# Altium PCB HIVE_BOARD - 10x10.PcbDoc (part 3 of 4) (continued)
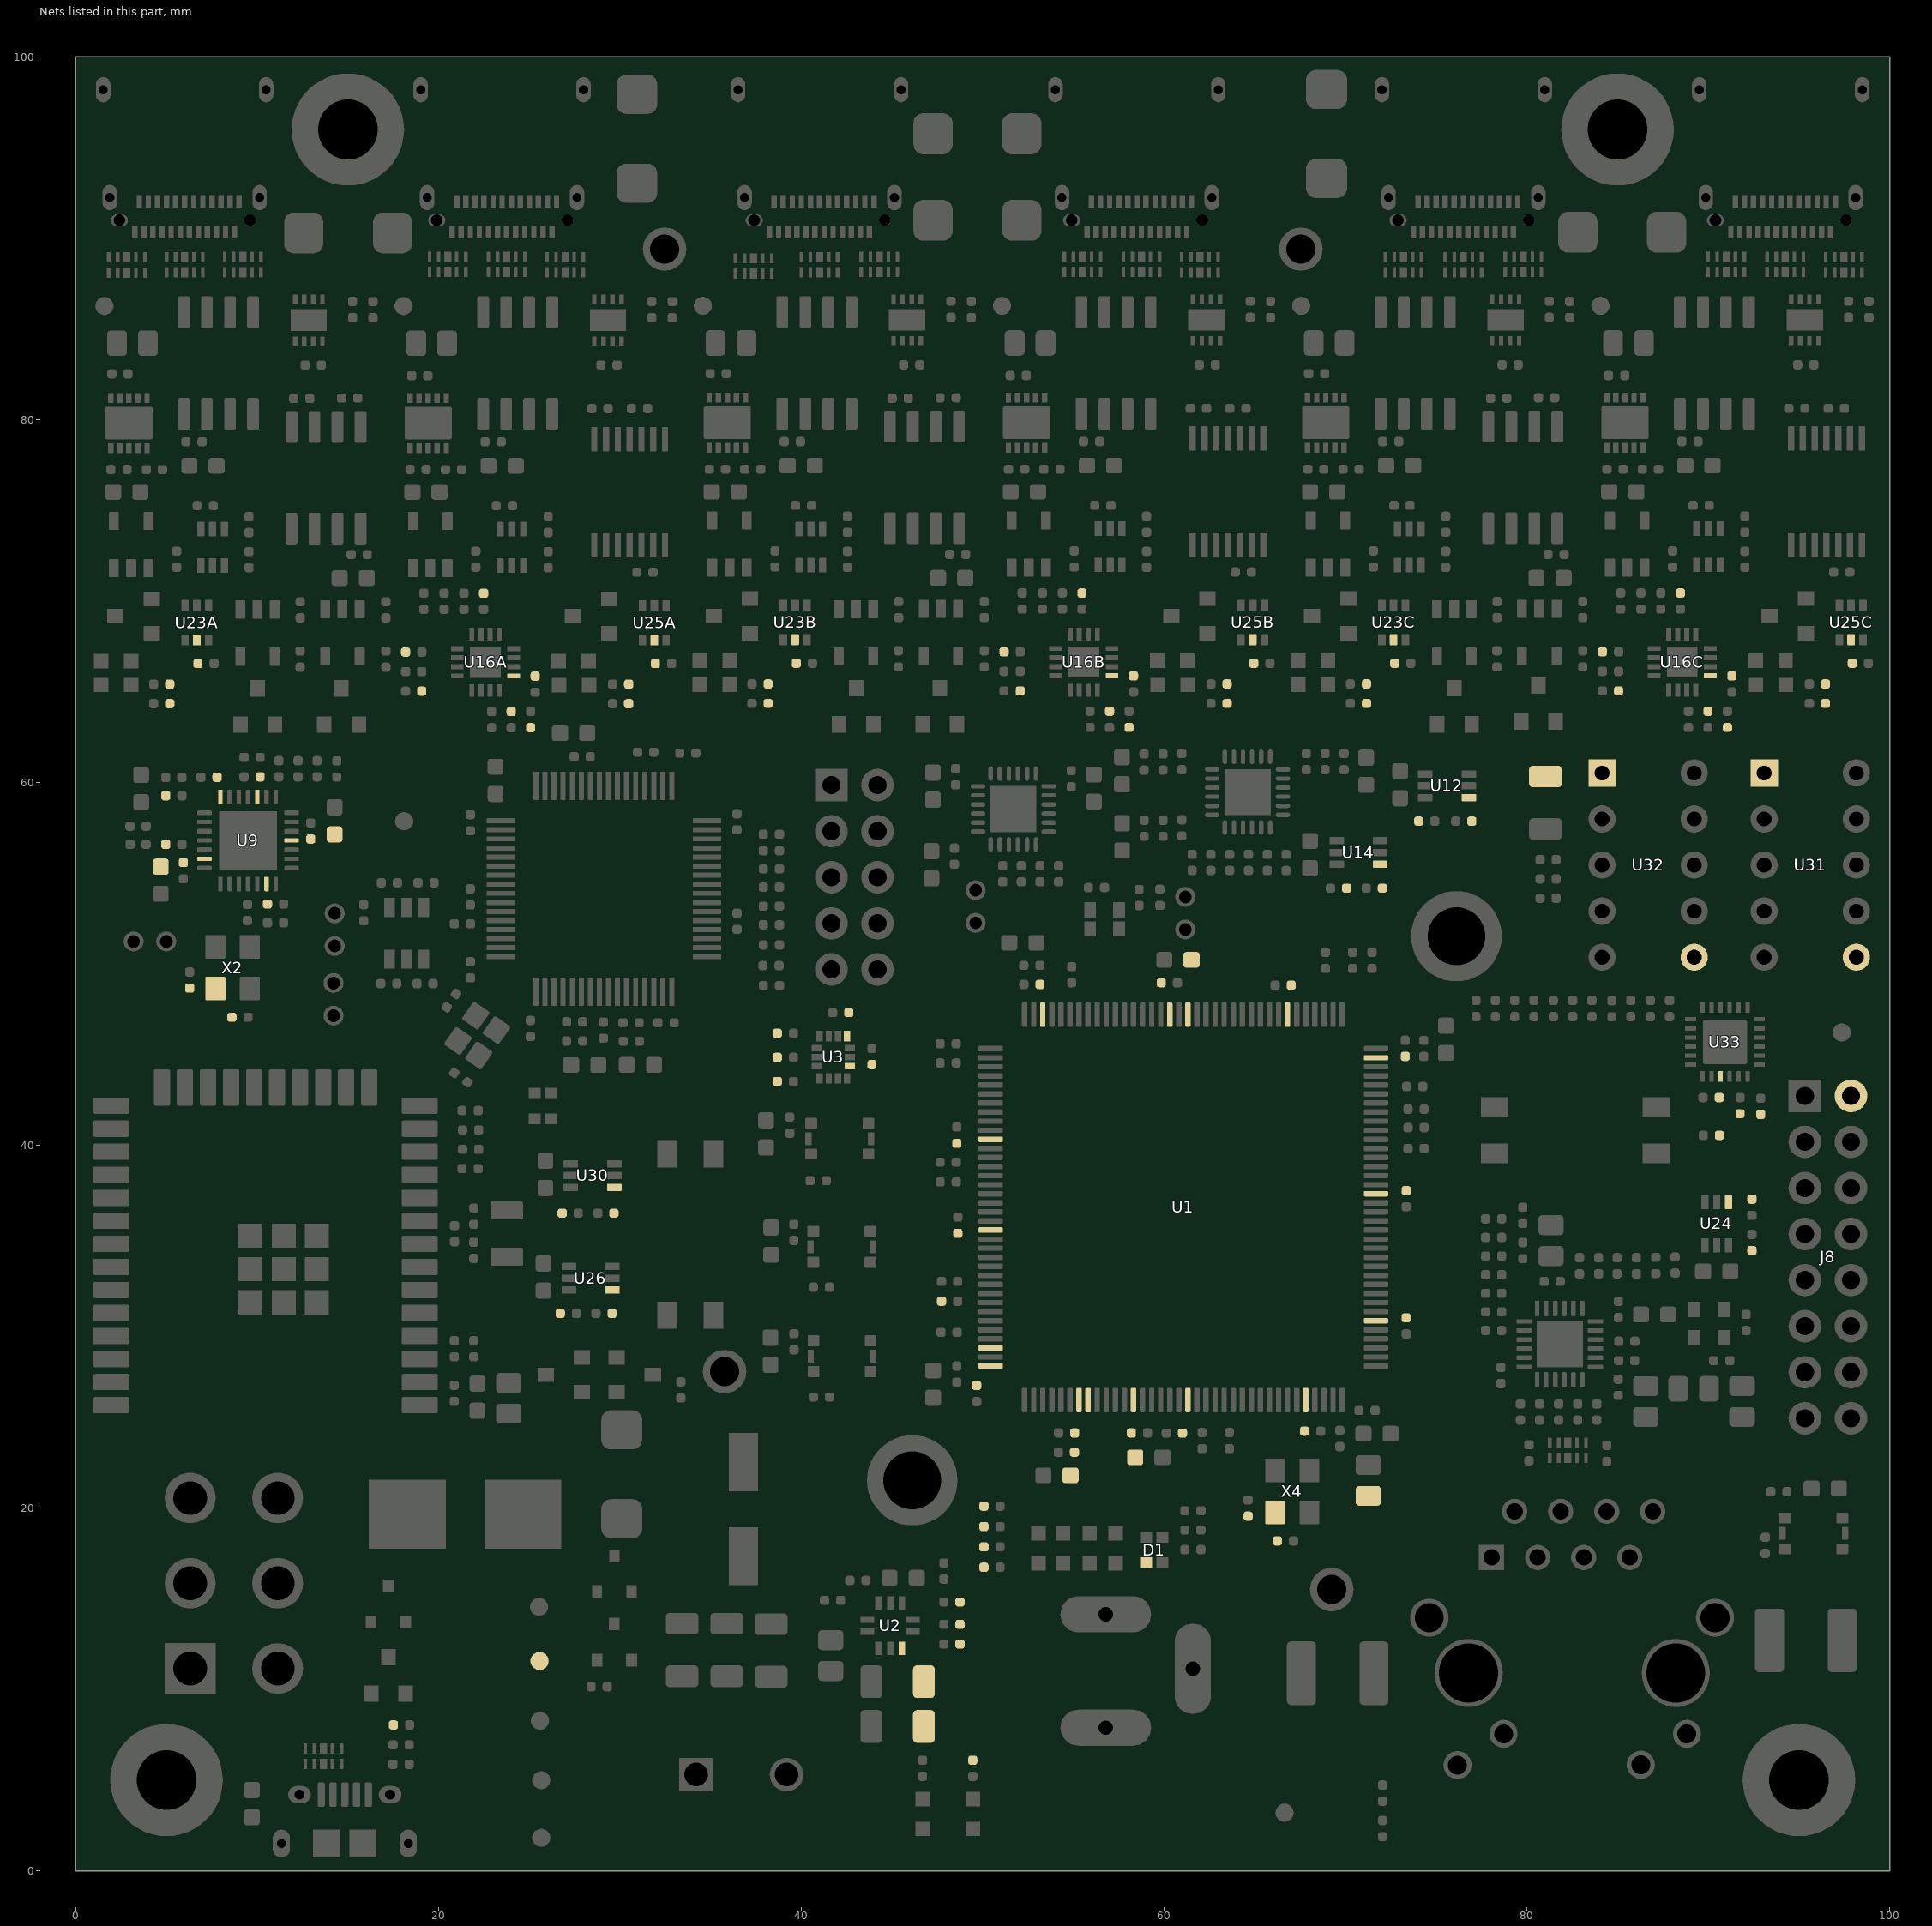
[diagram p7: the nets of this part, all layers, seen from the top]
## Part data (continued)
C73: library part CAP_CER_C1608X5R1C335K080AC, "CAP - CER 3.3µF ±10% 16V Ceramic Capacitor X5R 0603 (1608 Metric)", Manufacturer #1="TDK Corporation", Package=0603, Supplier Part Number 1=445-7476-1-ND, Temperature="-55°C ~ 85°C", Tolerance=10%, Voltage Rating=16V, Assembly Type=SMD, CreatedBy/Date="Hubert Dube - 16/03/2021", Cryo=UNKNOWN, GRAMS Lib Spec=2.8, HelpURL=https://product.tdk.com/en/system/files?file=dam/doc/product/capacitor/ceramic/mlcc/catalog/mlcc_commercial_general_en.pdf, Magnetic Material=Unknown, Part Number #1=C1608X5R1C335K080AC, Polarized=No, Supplier 1=Digi-Key, VerifiedBy="Philippe Arsenault - 2021/03/16"
C74 C75: library part CAP_CER_CC0402JRNPO9BN120, "CAP - CER 12pF 50V ±5% C0G, NP0 - 0402", Manufacturer #1=Yageo, Package=0402, Supplier Part Number 1=311-1016-1-ND, Temperature="-55°C ~ 125°C", Tolerance=±5%, Voltage Rating=50V, Assembly Type=SMD, CreatedBy/Date="Philippe Arsenault/ 2020-07-24", Cryo=UNKNOWN, GRAMS Lib Spec=2.8, HelpURL=https://www.yageo.com/upload/media/product/productsearch/datasheet/mlcc/UPY-GP_NP0_16V-to-50V_18.pdf, Magnetic Material=Unknown, Part Number #1=CC0402JRNPO9BN120, Polarized=NO, Supplier 1=Digi-Key, VerifiedBy="Louis-Daniel Gaulin / 2020-07-29"
C81 C83 C115A C115B C115C C118A C118B C118C C119A C119B C119C C122A C122B C122C C146A C146B C146C: library part CAP_CER_JMK105B7474KVHF, "CAP - CER 470nF 6.3V X7R - 0402", Manufacturer #1="Taiyo Yuden", Package=0402, Supplier Part Number 1=587-3765-1-ND, Temperature="-55°C ~ 125°C", Tolerance=10%, Voltage Rating=6.3V, Assembly Type=SMD, CreatedBy/Date="Nicolas (2019-06-21)", Cryo=UNKNOWN, GRAMS Lib Spec=2.8, HelpURL=https://ds.yuden.co.jp/TYCOMPAS/ut/detail?pn=JMK105B7474KVHF%20&u=M, Magnetic Material=UNKNOWN, Part Number #1=JMK105B7474KVHF, Polarized=NO, Supplier 1=Digi-Key, VerifiedBy="Nicolas V. (2019-06-21)"
C92 C93 C101 C109A C109B C109C C126A C126B C126C: library part CAP_CER_CL05B472KB5VPNC, "CAP - CER 4700PF 50V X7R 0402", Manufacturer #1="Samsung Electro-Mechanics", Package=0402, Supplier Part Number 1=1276-6576-1-ND, Temperature="-55°C ~ 125°C", Tolerance=±10%, Voltage Rating=50V, Assembly Type=SMD, CreatedBy/Date="Philippe Arsenault/ 2021-03-26", Cryo=UNKNOWN, GRAMS Lib Spec=2.8, HelpURL=https://www.samsungsem.com/resources/file/global/support/product_catalog/MLCC.pdf, Magnetic Material=Unknown, Part Number #1=CL05B472KB5VPNC, Polarized=NO, Supplier 1=Digi-Key
C147: library part CAP_POLY_APXG160ARA221MF80G, "CAP - POLY 220uF 20% 16V - SMD 6.3mm D x 8mm H", Current Rating=3.3A, Manufacturer #1="United Chemi-Con", Package="Radial, Can - SMD", Supplier Part Number 1=565-4283-1-ND, Temperature="-55°C ~ 105°C", Tolerance=20%, Voltage Rating=16V, Assembly Type=SMD, CreatedBy/Date="Joel Lemay 2018-08-21", Cryo=UNKNOWN, GRAMS Lib Spec=2.8, HelpURL=http://www.chemi-con.co.jp/cgi-bin/CAT_DB/SEARCH/cat_db_al.cgi?e=e&j=p&pdfname=pxg, Magnetic Material=Unknown, Part Number #1=APXG160ARA221MF80G, Polarized=Yes, Supplier 1=Digi-Key, VerifiedBy="Caroline Paulin - 7 sept 2018"
D1 D13: library part DIO_EAST1616RGBA3, "DIO - Red, Green, Blue LED Indication - Discrete 1.95V Red, 2.8V Green, 2.8V Blue 0606 (1616 Metric)", Current Rating=60mA, Manufacturer #1="Everlight Electronics Co Ltd", Package="4-SMD, No Lead", Power Max=60mW, Supplier Part Number 1=1080-1550-1-ND, Temperature="-40 ~ +85℃", Tolerance=±50ppm, Voltage Rating="1.8 to 3.3V", Assembly Type=SMD, CreatedBy/Date="Hubert Dube - 26/02/2021", Cryo=UNKNOWN, GRAMS Lib Spec=2.8, HelpURL=https://everlightamericas.com/index.php?controller=attachment&id_attachment=1010, Magnetic Material=Unknown, Part Number #1=EAST1616RGBA3, Polarized=Yes, Supplier 1=Digi-Key, VerifiedBy="PA + Hubert Dube - 19/03/2021"
D2 D5: library part DIO_ZENER_BZX84-B4V3,215, "DIO - ZENER 4.3V 250mW - SOT-23", Current Rating="200mA foward", Manufacturer #1="Nexperia USA Inc.", Manufacturer #2=-, Package=SOT-23, Power Max=250mW, Supplier Part Number 1=1727-1669-1-ND, Temperature="-65°C ~ 150°C", Tolerance=2%, Voltage Rating=4.3V, Assembly Type=SMD, CreatedBy/Date="Louis-Daniel Gaulin / 29-03-2021", Cryo=UNKNOWN, GRAMS Lib Spec=2.8c, HelpURL=https://assets.nexperia.com/documents/data-sheet/BZX84_SER.pdf, Magnetic Material=Unknown, Note=-, Part Number #1=BZX84-B4V3,215, Part Number #2=-, Polarized=Yes, Supplier 1=Digi-Key, VerifiedBy="Philippe Arsenault/ 2021-04-01"
D3: library part TVS_PWR_SMBJ5.0A, "TVS - BIDIR 5V 9.2V 600W - DO214AA", Current Rating="100A (peak)", Manufacturer #1="Littelfuse Inc.", Package=DO214AA, Power Max="600W (Pppm)", Supplier Part Number 1=SMBJ5.0ALFCT-ND, Temperature="-65°C ~ 150°C (TJ)", Voltage Rating="5V Standoff", Assembly Type=SMD, CreatedBy/Date="Louis-Daniel Gaulin / 13-04-2021", Cryo=UNKNOWN, GRAMS Lib Spec=2.8c, HelpURL=https://www.littelfuse.com/~/media/electronics/datasheets/tvs_diodes/littelfuse_tvs_diode_smbj_datasheet.pdf.pdf, Magnetic Material=UNKNOWN, Part Number #1=SMBJ5.0A, Polarized=NO, Supplier 1=Digi-Key, VerifiedBy="Philippe Arsenault/2021-04-14"
D4 D6 D17A D17B D17C D19A D19B D19C D22 D23 D24 D25: library part LED_SML-D12P8WT86, "LED - GREEN DIFFUSED 0603 SMD - 0603", Current Rating=1-20mA, Manufacturer #1="Rohm Semiconductor", Package=0603, Supplier Part Number 1=511-1579-2-ND, Temperature="-40 ~ 85 °C", Voltage Rating="2.2V (Forward), 5V (max Reverse)", Assembly Type=SMD, CreatedBy/Date="Keven Deslandes - 2018/11/21", Cryo=UNKNOWN, GRAMS Lib Spec=2.8, HelpURL=https://d1d2qsbl8m0m72.cloudfront.net/en/products/databook/datasheet/opto/led/chip_mono/sml-d12x8_d13x8-e.pdf, Magnetic Material=Unknown, Note="Operate at 2mA", Part Number #1=SML-D12P8WT86, Polarized=Yes, Supplier 1=Digi-Key, VerifiedBy="Caroline Paulin - 13 février 2019"
D7 D8A D8B D8C D9A D9B D9C D10A D10B D10C D12 D15A D15B D15C D18A D18B D18C D21A D21B D21C: library part TVS_DATA_DT1140-04LP-7, "TVS - DIODE 5.5V 10V - 10-UFDFN", Current Rating="6A (8/20µs)", Manufacturer #1="Diodes Incorporated", Manufacturer #2=-, Package=10-UFDFN, Power Max="60W (8/20µs)", Supplier Part Number 1=DT1140-04LP-7DICT-ND, Temperature=-55°C~85°C, Voltage Rating="6V (Breakdown)", Assembly Type=SMD, CreatedBy/Date="Joël Lemay 2019-11-20", Cryo=UNKNOWN, GRAMS Lib Spec=2.8, HelpURL=https://www.diodes.com/assets/Datasheets/DT1140-04LP.pdf, Magnetic Material=Unknown, Note="Fooprint created from tpd4e05u06 (TI) for manufacturability (soldermask)", Part Number #1=DT1140-04LP-7, Part Number #2=-, Polarized=Yes, Supplier 1=Digi-Key, Tolerance=-, VerifiedBy="C.Paulin - 21/11/2019"
D11A D11B D11C D16A D16B D16C: library part TVS_PWR_SMBJ5.0CA, "TVS - BIDIR 5V 9.2V 600W - DO214AA", Current Rating="65.3 A (Ipp)", Manufacturer #1="Littelfuse Inc.", Package=DO214AA, Power Max="600W (Pppm)", Supplier Part Number 1=SMBJ5.0CALFCT-ND, Temperature="-65°C ~ 150°C (TJ)", Voltage Rating="5V Standoff", Assembly Type=SMD, CreatedBy/Date="Jonathan Bouchard - 2019-03-22", Cryo=UNKNOWN, GRAMS Lib Spec=2.8, HelpURL=http://www.littelfuse.com/~/media/electronics/datasheets/tvs_diodes/littelfuse_tvs_diode_smbj_datasheet.pdf.pdf, Magnetic Material=UNKNOWN, Part Number #1=SMBJ5.0CA, Polarized=NO, Supplier 1=Digi-Key, VerifiedBy="Nicolas V. (2019-05-06)"
D14A D14B D14C D20A D20B D20C: library part LED_SML-D12U8WT86, "LED - RED DIFFUSED 0603 SMD - 0603", Current Rating=1-20mA, Manufacturer #1="Rohm Semiconductor", Package=0603, Supplier Part Number 1=511-1580-1-ND, Temperature=-40〜+85, Voltage Rating="2.2V (Forward), 5V (max Reverse)", Assembly Type=SMD, CreatedBy/Date="Olivier Bernard / 01/02/2018", Cryo=UNKNOWN, GRAMS Lib Spec=2.8, HelpURL=https://d1d2qsbl8m0m72.cloudfront.net/en/products/databook/datasheet/opto/led/chip_mono/sml-d12x8_d13x8-e.pdf, Magnetic Material=UNKNOWN, Note="Operate at 2mA", Part Number #1=SML-D12U8WT86, Polarized=Yes, Supplier 1=Digi-Key, VerifiedBy="Caroline Paulin / 6 juillet 2018"
F1: library part FUS_0154004.DR, "FUS - 4A 125 VAC/VDC - 2-SMD", Current Rating=4A, Manufacturer #1="Littelfuse Inc.", Package=2-SMD, Supplier Part Number 1=F1227CT-ND, Temperature="-55°C ~ 125°C", Voltage Rating=125V, Assembly Type=SMD, CreatedBy/Date="Caroline Paulin - 3/12/2019", Cryo=UNKNOWN, GRAMS Lib Spec=2.8, HelpURL=http://www.littelfuse.com/~/media/electronics/datasheets/fuses/littelfuse_fuse_154_154t_154l_154tl_datasheet.pdf.pdf, Magnetic Material=UNKNOWN, Part Number #1=0154004.DR, Polarized=NO, Supplier 1=Digi-Key, VerifiedBy="c.Paulin - 2019-12-03"
FID1 FID2 FID3: library part FID_CIRCLE_1MM, "FID - FIDUCIAL 1MM CIRCLE DOUBLE-SIDED - 1MM", Package="1MM CIRCLE", Assembly Type=NONE, CreatedBy/Date="Jonathan Bouchard 2018-07-23", GRAMS Lib Spec=2.8, HelpURL=https://www.pcb-3d.com/wordpress/wp-content/uploads/ipc-sm-782a_amendment_1_and_2.pdf, Magnetic Material=NO, VerifiedBy="Caroline Paulin - 25 juillet 2018"
HS1: library part THE_HS_ATS-CPX025025015-138-C2-R0, "THE_HS - Heat Sink  25x25x15 mm - TH M3", Manufacturer #1="Advanced Thermal Solutions Inc.", Package=20x20x15mm, Power Max="12.20 °C/W @ 100LFM", Supplier Part Number 1=ATS1516-ND, Assembly Type="M3 Screws", CreatedBy/Date="Philippe Arsenault/2021-04-08", GRAMS Lib Spec=2.8, HelpURL=https://www.qats.com/pushPIN/DataSheet/ATS-CPX025025015-138-C2-R0, Magnetic Material=Unknown, Part Number #1=ATS-CPX025025015-138-C2-R0, Polarized=No, Supplier 1=Digi-Key, VerifiedBy="Louis-Daniel Gaulin / 14-04-2021"
J1: library part CON_USB_10118194-0001LF, "CON - USB MICRO B RECPT SMT R/A - 4PIN", Current Rating=1.8A, Manufacturer #1="Amphenol FCI", Package=5-SMD, Supplier Part Number 1=609-4618-1-ND, Temperature="-30°C ~ 80°C", Voltage Rating=100VAC, Assembly Type=SMD, CreatedBy/Date="Arnaud Samson - 09/07/18", GRAMS Lib Spec=2.8, HelpURL=https://cdn.amphenol-icc.com/media/wysiwyg/files/drawing/10118194.pdf, Magnetic Material=YES, Part Number #1=10118194-0001LF, Polarized=YES, Supplier 1=Digi-Key, VerifiedBy="Jonathan Bouchard 2018-07-12"
J2: library part CON_PWR_54-00166, "CON -  PWR JACK 231X5.5MM SOLDER RIGHT ANGLE - TH", Current Rating=6A, Manufacturer #1="Tensility International Corp", Manufacturer #2=-, Package=TH, Supplier Part Number 1=839-54-00166-ND, Temperature="-20°C ~ 70°C", Voltage Rating=48V, Assembly Type=TH, CreatedBy/Date="L-D Gaulin / 23-05-2021", Cryo=UNKNOWN, GRAMS Lib Spec=2.8, HelpURL=https://tensility.s3.amazonaws.com/uploads/pdffiles/54-00166.pdf?X-Amz-Expires=600&X-Amz-Date=20210524T010042Z&X-Amz-Algorithm=AWS4-HMAC-SHA256&X-Amz-Credential=AKIAIS2S4WRDQDSWDRZQ%2F20210524%2Fus-west-2%2Fs3%2Faws4_request&X-Amz-SignedHeaders=host&X-Amz-Signature=421a14a98a6cb1d4ecc5694c8922295a9a1148252ef58783507cb2127da09a73, Magnetic Material=Unknown, Note=-, Part Number #1=54-00166, Part Number #2=-, Polarized=Yes, Supplier 1=Digi-Key, Tolerance=-, VerifiedBy="Philippe Arsenault/24-05-2021"
J3: library part CON_1935161, "CON - TERM BLK 2POS SIDE ENTRY 5MM PCB - TH - 14-26 AWG", Current Rating=17.5A, Manufacturer #1="Phoenix Contact", Package=TH, Supplier Part Number 1=277-1667-ND, Temperature="-40 °C ~ 100 °C", Voltage Rating=400V, Assembly Type=TH, CreatedBy/Date="Louis-Daniel Gaulin / 02-11-2020", Cryo=UNKNOWN, GRAMS Lib Spec=2.8, HelpURL=https://media.digikey.com/pdf/Data%20Sheets/Phoenix%20Contact%20PDFs/1935161.pdf, Magnetic Material=Unknown, Part Number #1=1935161, Polarized=Yes, Supplier 1=Digi-Key, VerifiedBy="Philippe Arsenault/2020-11-06"
J4A J4B J4C J5A J5B J5C: library part CON_USB_3.2_TypeC_12401598E4#2A, "CON_USB - USB 3.2 Gen 2 (USB 3.1 Gen 2, Superspeed + (USB 3.1)) 24 pos Receptacle - R/A", Current Rating="5A total", Manufacturer #1="Amphenol ICC (Commercial Products)", Package="SMD + TH R/A", Power Max=-, Supplier Part Number 1=12401598E4#2ACT-ND, Temperature="max 105°C", Assembly Type="SMD + TH", CreatedBy/Date="Louis-Daniel Gaulin / 07-04-2021", GRAMS Lib Spec=2.8, HelpURL=https://www.amphenol-icc.com/media/wysiwyg/files/drawing/12401598xxx2a.pdf, Magnetic Material=Unknown, Part Number #1=12401598E4#2A, Polarized=Yes, Supplier 1=Digi-Key, VerifiedBy="Philippe Arsenault/2021-04-08", Voltage Rating=-
J6: library part CON_ETH_J1B1211CCD, "CON_ETH - 1 Port RJ45 Magjack Connector Through Hole 10/100 Base-T, AutoMDIX / 350 µH minimum OCL with 8 mA bias current.", Manufacturer #1=WIZnet, Part Number #1=1278-1052-ND, Temperature="-40°C ~ 85°C", Assembly Type=SMD, CreatedBy/Date="Hubert Dube - 12/02/2021", Cryo=UNKNOWN, GRAMS Lib Spec=2.8, HelpURL=http://wizwiki.net/wiki/lib/exe/fetch.php?media=products:wiz550web:wiz550webds_kr:j1b1211ccd.pdf, Magnetic Material=Unknown, Polarized=Yes, Supplier 1=Digi-Key, Supplier Part Number 1=1278-1052-ND, VerifiedBy="Philippe Arsenault - 2021-03-10"
J7: library part CON_HDR_PREC005DAAN-RC, "CON - Connector Header Through Hole 10 position 0.100\" (2.54mm)", Current Rating=3A, Manufacturer #1="Sullins Connector Solutions", Package="TH 2x5", Supplier Part Number 1=S2012EC-05-ND, Temperature="-40°C ~ 105°C", Assembly Type=TH, CreatedBy/Date="Philippe Arsenault/2021-03-27", GRAMS Lib Spec=2.8, HelpURL=https://drawings-pdf.s3.amazonaws.com/11636.pdf, Magnetic Material=Unknown, Part Number #1=PREC005DAAN-RC, Polarized=Yes, Supplier 1=Digi-Key, VerifiedBy="Louis-Daniel Gaulin / 08-04-2021"
J8: library part CON_HDR_PREC008DAAN-RC, "CON - Connector Header Through Hole 16 position 0.100\" (2.54mm)", Current Rating=3A, Manufacturer #1="Sullins Connector Solutions", Package="TH 2x8", Supplier Part Number 1=S2012EC-08-ND, Temperature="-40°C ~ 105°C", Assembly Type=TH, CreatedBy/Date="Hubert Dube -  16/03/2021", GRAMS Lib Spec=2.7, HelpURL=https://drawings-pdf.s3.amazonaws.com/11636.pdf, Magnetic Material=Unknown, Part Number #1=PREC008DAAN-RC, Polarized=Yes, Supplier 1=Digi-Key, VerifiedBy="Philippe Arsenault/2021-03-25"
J10 J12 J13 J15 J17: library part CON_JMP_SNT-100-BK-T-H, "CON - CONN SHUNT - MEC", Current Rating=4.3A, Manufacturer #1="Samtec Inc.", Package=MEC, Supplier Part Number 1=SAM8972-ND, Temperature="-55 °C to +125 °C", Voltage Rating="450 VAC", Assembly Type=MANUAL, CreatedBy/Date="Arnaud Samson - 09/07/18", GRAMS Lib Spec=2.8, HelpURL=http://suddendocs.samtec.com/catalog_english/snt.pdf, Magnetic Material=UNKNOWN, Part Number #1=SNT-100-BK-T-H, Polarized=NO, Supplier 1=Digi-Key, VerifiedBy="Jonathan Bouchard 2018-07-12"
L1 L3: library part FER_MMZ2012Y202BT000, "FER - FERRITE BEAD 2 KOHM @ 100 MHz 400 mA - 0805", Current Rating="400 mA", Manufacturer #1="TDK Corporation", Package=0805, Supplier Part Number 1=445-1561-1-ND, Temperature="-55°C ~ 125°C", Assembly Type=SMD, CreatedBy/Date="Hubert Dube - 7/02/2021", Cryo=UNKNOWN, GRAMS Lib Spec=2.8, HelpURL=https://product.tdk.com/info/en/catalog/datasheets/beads_commercial_signal_mmz2012_en.pdf, Magnetic Material=Unknown, Part Number #1=MMZ2012Y202BT000, Polarized=No, Supplier 1=Digi-Key, VerifiedBy="Philippe Arsenault/ 2021-03-13"
L4 L6: library part FER_BLM18HE152SN1D, "FER - 1.5 kOhms @ 100MHz 1 Signal Line Ferrite Bead 0603 (1608 Metric) 500mA 500mOhm DC", Current Rating=500mA, Manufacturer #1="Murata Electronics", Package=0603, Supplier Part Number 1=490-5216-1-ND, Temperature="-55°C ~ 125°C", Assembly Type=SMD, CreatedBy/Date="Hubert Dube - 16/03/2021", Cryo=UNKNOWN, GRAMS Lib Spec=2.8, HelpURL=https://www.murata.com/en-us/products/productdata/8796741599262/ENFA0004.pdf, Magnetic Material=Unknown, Part Number #1=BLM18HE152SN1D, Polarized=No, Supplier 1=Digi-Key, VerifiedBy="Philippe Arsenault - 2021-03-16"
MTH1 MTH2 MTH3 MTH4: library part MTH_M3, "MTH - MOUNTING HOLE M3 PLATED - M3", Assembly Type=NONE, CreatedBy/Date="Jonathan Bouchard 2018-07-23", Cryo=UNKNOWN, GRAMS Lib Spec=2.8, HelpURL=https://littlemachineshop.com/images/gallery/PDF/TapDrillSizes.pdf, Magnetic Material=NO, Package=M3, VerifiedBy="Arnaud Samson 23-07-18"
Q1: library part TRX_PMOS_SI2369DS-T1-GE3, "TRX - PMOS 30V 7.6A - SOT−23", Current Rating=7.6A, Manufacturer #1="Vishay Siliconix", Package=SOT-23, Power Max=1.25W, Supplier Part Number 1=SI2369DS-T1-GE3CT-ND, Temperature="-55°C ~ 150°C", Voltage Rating=30V, Assembly Type=SMD, CreatedBy/Date="Louis-Daniel Gaulin / 30-07-2020", Cryo=UNKNOWN, GRAMS Lib Spec=2.8, HelpURL=https://www.vishay.com/docs/62865/si2369d.pdf, Magnetic Material=Unknown, Part Number #1=SI2369DS-T1-GE3, Polarized=Yes, Supplier 1=Digi-Key, VerifiedBy="Philippe Arsenault/2020-11-06"
Q2 Q3A Q3B Q3C Q4A Q4B Q4C Q5 Q6 Q7A Q7B Q7C Q8A Q8B Q8C: library part TRX_NMOS_BSS138LT1G, "TRX - NMOS - 50V 200MA - SOT−23-3", Current Rating=200mA, Manufacturer #1="ON Semiconductor", Package=SOT-23-3, Power Max=225mW, Supplier Part Number 1=BSS138LT1GOSCT-ND, Temperature="-55°C ~ 150°C", Voltage Rating=50V, Assembly Type=SMD, CreatedBy/Date="Joel Lemay 2018-06-15", Cryo=UNKNOWN, GRAMS Lib Spec=2.8, HelpURL=http://www.onsemi.com/pub/Collateral/BSS138LT1-D.PDF, Magnetic Material=Unknown, Part Number #1=BSS138LT1G, Polarized=Yes, Supplier 1=Digi-Key, VerifiedBy="Caroline Paulin - 6 sept 2018"
R1 R2 R5 R23 R25 R33 R40 R46 R77A R77B R77C R110A R110B R110C R115A R115B R115C R123A R123B R123C R129: library part RES_ERJ-2RKF4750X, "RES - 475R 1% 1/10W- 0402", Manufacturer #1="Panasonic Electronic Components", Package=0402, Power Max=1/10W, Supplier Part Number 1=P475LCT-ND, Temperature="-55°C ~ 155°C", Tolerance=1%, Voltage Rating=50V, Assembly Type=SMD, CreatedBy/Date="Keven Deslandes 2018-10-17", Cryo=UNKNOWN, GRAMS Lib Spec=2.8, HelpURL=https://industrial.panasonic.com/cdbs/www-data/pdf/RDA0000/AOA0000C304.pdf, Magnetic Material=Unknown, Part Number #1=ERJ-2RKF4750X, Polarized=No, Supplier 1=Digi-Key, VerifiedBy="Carolilne Paulin - 18/12/2018"
R3 R8 R11 R12 R22 R27 R28 R38 R63 R80 R81 R83 R84 R85 R86 R87 R88 R89 R90: library part RES_RC0402FR-071KL, "RES - 1K OHM 1% 1/16W - 0402", Manufacturer #1=Yageo, Package=0402, Power Max=1/16W, Supplier Part Number 1=311-1.00KLRCT-ND, Temperature="-55°C ~ 155°C", Tolerance=1%, Voltage Rating=50V, Assembly Type=SMD, CreatedBy/Date="Jonathan Bouchard 2018-07-05", Cryo=UNKNOWN, GRAMS Lib Spec=2.8, HelpURL=http://www.yageo.com/documents/recent/PYu-RC_Group_51_RoHS_L_9.pdf, Magnetic Material=YES, Part Number #1=RC0402FR-071KL, Polarized=NO, Supplier 1=Digi-Key, VerifiedBy="Arnaud Samson 16-07-18"
R4 R6 R7 R10 R16 R17 R20 R21 R24 R29 R34 R35 R36 R64 R93A R93B R93C R95A R95B R95C R96 R97A R97B R97C R98 R99A R99B R99C R100A R100B R100C R101A R101B R101C R106A R106B R106C R107A R107B R107C R109 R111A R111B R111C R112A R112B R112C R113A R113B R113C R117A R117B R117C R118A R118B R118C R119A R119B R119C R120 R124A R124B R124C R125 R127A R127B R127C R131 R133A R133B R133C R154A R154B R154C R155A R155B R155C: library part RES_RC0402FR-07100KL, "RES - 100K 1% 1/16W - 0402", Manufacturer #1=Yageo, Package=0402, Power Max=1/16W, Supplier Part Number 1=311-100KLRCT-ND, Temperature="-55°C ~ 155°C", Tolerance=1%, Voltage Rating=50V, Assembly Type=SMD, CreatedBy/Date="Keven Deslandes 2018-10-19", Cryo=UNKNOWN, GRAMS Lib Spec=2.8, HelpURL=http://www.yageo.com/documents/recent/PYu-RC_Group_51_RoHS_L_9.pdf, Magnetic Material=Unknown, Part Number #1=RC0402FR-07100KL, Polarized=No, Supplier 1=Digi-Key, VerifiedBy="Caroline Paulin - 18/12/2018"
R9 R39 R71 R135 R136 R137 R138 R139 R140 R141 R142 R143 R144 R145 R146 R147 R148 R149: library part RES_RC0402FR-07150RL, "RES - 150R 1% 1/16W - 0402", Manufacturer #1=Yageo, Package=0402, Power Max=1/16W, Supplier Part Number 1=311-150LRCT-ND, Temperature="-55°C ~ 155°C", Tolerance=1%, Voltage Rating=50V, Assembly Type=SMD, CreatedBy/Date="Jonathan Bouchard 2019-03-25", Cryo=UNKNOWN, GRAMS Lib Spec=2.8, HelpURL=http://www.yageo.com/documents/recent/PYu-RC_Group_51_RoHS_L_10.pdf, Magnetic Material=Unknown, Part Number #1=RC0402FR-07150RL, Polarized=No, Supplier 1=Digi-Key, VerifiedBy="Nicolas V. (2019-05-02)"
R13 R14 R53 R58 R59 R60 R61 R65 R66 R67 R68 R69 R73 R75 R76 R78 R91 R92 R114 R116 R121 R122 R126 R134 R153 R156 R157 R158 R159 R160: library part RES_RC0402FR-0710KL, "RES - 10K OHMS 1% 1/16W - 0402", Manufacturer #1=Yageo, Package=0402, Power Max=1/16W, Supplier Part Number 1=311-10.0KLRCT-ND, Temperature="-55°C ~ 155°C", Tolerance=1%, Voltage Rating=50V, Assembly Type=SMD, CreatedBy/Date="Nicolas V. (2018-11-20)", Cryo=UNKNOWN, GRAMS Lib Spec=2.8, HelpURL=http://www.yageo.com/documents/recent/PYu-RC_Group_51_RoHS_L_9.pdf, Magnetic Material=UNKNOWN, Part Number #1=RC0402FR-0710KL, Polarized=NO, Supplier 1=Digi-Key, VerifiedBy="Nicolas V. (2018-11-20)"
  R116 R156 R157 R158 R159 R160: Assembly Note=DNI
R15: library part RES_RC0402FR-0747KL, "RES - 47k ±1% 1/16W - 0402", Manufacturer #1=Yageo, Package=0402, Power Max=1/16W, Supplier Part Number 1=311-47.0KLRCT-ND, Temperature="-55°C ~ 155°C", Tolerance=1%, Voltage Rating=50V, Assembly Type=SMD, CreatedBy/Date="Louis-Daniel Gaulin / 11-04-2021", GRAMS Lib Spec=2.8, HelpURL=https://www.yageo.com/upload/media/product/productsearch/datasheet/rchip/PYu-RC_Group_51_RoHS_L_11.pdf, Magnetic Material=Unknown, Part Number #1=RC0402FR-0747KL, Polarized=No, Supplier 1=Digi-Key, VerifiedBy="Philippe Arsenault/2021-04-14"
R18 R19 R47 R48: library part RES_RMCF0402FT10R0, "RES - 10R 1% 1/16W - 0402", Current Rating=1A, Manufacturer #1="Stackpole Electronics Inc.", Manufacturer #2=Panasonic, Package=0402, Part Number #2=ERJ-2RKF10R0X, Power Max=1/16W, Supplier Part Number 1=RMCF0402FT10R0CT-ND, Temperature="-55°C ~ 155°C", Tolerance=1%, Voltage Rating=50V, Assembly Type=SMD, CreatedBy/Date="Joel Lemay 2018-07-04", Cryo=UNKNOWN, GRAMS Lib Spec=2.8, HelpURL=https://www.seielect.com/Catalog/SEI-RMCF_RMCP.pdf, Magnetic Material=Unknown, Part Number #1=RMCF0402FT10R0, Polarized=No, Supplier 1=Digi-Key, VerifiedBy="Caroline Paulin - 6 sept 2018"
R26: library part RES_RC0402FR-0715KL, "RES - 15K 1% 1/16W - 0402", Manufacturer #1=Yageo, Package=0402, Power Max=1/16W, Supplier Part Number 1=311-15.0KLRCT-ND, Temperature="-55°C ~ 155°C", Tolerance=1%, Voltage Rating=50V, Assembly Type=SMD, CreatedBy/Date="Keven Deslandes 2018-09-24", Cryo=UNKNOWN, GRAMS Lib Spec=2.8, HelpURL=http://www.yageo.com/documents/recent/PYu-RC_Group_51_RoHS_L_9.pdf, Magnetic Material=Unknown, Part Number #1=RC0402FR-0715KL, Polarized=No, Supplier 1=Digi-Key, VerifiedBy="Caroline Paulin - 18/12/2018"
R30: library part RES_RC0603JR-070RL, "RES - 0 ohm jumper 1/10W - 0603", Manufacturer #1=Yageo, Package=0603, Power Max=1/10W, Supplier Part Number 1=311-0.0GRCT-ND, Temperature="-55°C ~ 155°C", Voltage Rating=-, Assembly Note=DNI, Assembly Type=SMD, CreatedBy/Date="L-P Gauthier 2018-10-30", Cryo=UNKNOWN, GRAMS Lib Spec=2.8, HelpURL=http://www.yageo.com/documents/recent/PYu-RC_Group_51_RoHS_L_9.pdf, Magnetic Material=Unknown, Part Number #1=RC0603JR-070RL, Polarized=No, Supplier 1=Digi-Key, VerifiedBy="Caroline Paulin  - 5/11/2018"
R31 R32 R37 R54 R55 R56 R57 R62 R79 R94A R94B R94C R128A R128B R128C: library part RES_RC0402FR-07100RP, "RES - 100R OHM 1% 1/16W - 0402", Manufacturer #1=Yageo, Package=0402, Power Max=1/16W, Supplier Part Number 1=YAG1248CT-ND, Temperature="-55°C ~ 155°C", Tolerance=1%, Voltage Rating=50V, Assembly Type=SMD, CreatedBy/Date="Jonathan Bouchard 2018-07-05", Cryo=UNKNOWN, GRAMS Lib Spec=2.8, HelpURL=http://www.yageo.com/documents/recent/PYu-RC_Group_51_RoHS_L_9.pdf, Magnetic Material=YES, Part Number #1=RC0402FR-07100RP, Polarized=NO, Supplier 1=Digi-Key, VerifiedBy="Arnaud Samson 16-07-18"
R41 R42 R43 R44: library part RES_RC0402FR-0749R9L, "RES - 49.9 R ±1% 1/16W -  0402", Manufacturer #1=Yageo, Package=0402, Power Max=1/16W, Supplier Part Number 1=311-49.9LRCT-ND, Temperature="-55°C ~ 155°C", Tolerance=1%, Voltage Rating=50V, Assembly Type=SMD, CreatedBy/Date="Hubert Dubé - 3/02/2020", GRAMS Lib Spec=2.8c, HelpURL=https://www.yageo.com/upload/media/product/productsearch/datasheet/rchip/PYu-RC_Group_51_RoHS_L_11.pdf, Magnetic Material=Unknown, Part Number #1=RC0402FR-0749R9L, Polarized=No, Supplier 1=Digi-Key, VerifiedBy="Philippe Arsenault/2021-02-08"
R45: library part RES_RC0402FR-071K5L, "RES - 1.5K 1% 1/16W - 0402", Current Rating=-, Manufacturer #1=Yageo, Package=0402, Power Max=1/16W, Supplier Part Number 1=311-1.50KLRCT-ND, Temperature="-55°C ~ 155°C", Tolerance=1%, Voltage Rating=50V, Assembly Type=SMD, CreatedBy/Date="Philippe Arsenault/21 Janvier 2020", Cryo=UNKNOWN, GRAMS Lib Spec=2.8c, HelpURL=https://www.yageo.com/upload/media/product/productsearch/datasheet/rchip/PYu-RC_Group_51_RoHS_L_10.pdf, Magnetic Material=Unknown, Manufacturer #2=-, Note=-, Part Number #1=RC0402FR-071K5L, Part Number #2=-, Polarized=No, Supplier 1=Digi-Key, VerifiedBy="C.Paulin - 28/01/2020"
R49 R51: library part RES_RC0402FR-07270RL, "RES - 270R 1% 1/16W - 0402", Manufacturer #1=Yageo, Package=0402, Power Max=1/16W, Supplier Part Number 1=311-270LRCT-ND, Temperature="-55°C ~ 155°C", Tolerance=1%, Voltage Rating=50V, Assembly Type=SMD, CreatedBy/Date="Philippe Arsenault 2020-07-24", GRAMS Lib Spec=2.8c, HelpURL=https://www.yageo.com/upload/media/product/productsearch/datasheet/rchip/PYu-RC_Group_51_RoHS_L_10.pdf, Magnetic Material=Unknown, Part Number #1=RC0402FR-07270RL, Polarized=No, Supplier 1=Digi-Key, VerifiedBy="Louis-Daniel Gaulin / 03-10-2020"
R50: library part RES_RC0402FR-0712K1L, "RES - 12K1 ±1% 1/16W - 0402", Manufacturer #1=Yageo, Package=0402, Power Max=1/16W, Supplier Part Number 1=311-12.1KLRCT-ND, Temperature="-55°C ~ 155°C", Tolerance=1%, Voltage Rating=50V, Assembly Type=SMD, CreatedBy/Date="Hubert Dubé - 7/02/2020", GRAMS Lib Spec=2.8c, HelpURL=https://www.yageo.com/upload/media/product/productsearch/datasheet/rchip/PYu-RC_Group_51_RoHS_L_11.pdf, Magnetic Material=Unknown, Part Number #1=RC0402FR-0712K1L, Polarized=No, Supplier 1=Digi-Key, VerifiedBy="Philippe Arsenault/2021-02-08"
R52 R74: library part RES_RC0402FR-0712KL, "RES - 12k Ohms ±1% 0.063W, 1/16W Chip Resistor 0402 (1005 Metric) Moisture Resistant Thick Film", Manufacturer #1=Yageo, Package=0402, Power Max=1/16W, Supplier Part Number 1=311-12.0KLRCT-ND, Temperature="-55°C ~ 155°C", Tolerance=1%, Voltage Rating=50V, Assembly Type=SMD, CreatedBy/Date="Philippe Arsenault/2021-03-11", GRAMS Lib Spec=2.8c, HelpURL=https://www.yageo.com/upload/media/product/productsearch/datasheet/rchip/PYu-RC_Group_51_RoHS_L_11.pdf, Magnetic Material=Unknown, Part Number #1=RC0402FR-0712KL, Polarized=No, Supplier 1=Digi-Key, VerifiedBy="Hubert Dube - 19/03/2021"
R70: library part RES_RC0402FR-071ML, "RES - 1 MOhms ±1% 0.063W, 1/16W Chip Resistor 0402 (1005 Metric) Moisture Resistant Thick Film", Manufacturer #1=Yageo, Package=0402, Power Max=1/16W, Supplier Part Number 1=311-1.00MLRCT-ND, Temperature="-55°C ~ 155°C", Tolerance=1%, Voltage Rating=50V, Assembly Type=SMD, CreatedBy/Date="Hubert Dube 16/03/2021", GRAMS Lib Spec=2.8c, HelpURL=https://www.yageo.com/upload/media/product/productsearch/datasheet/rchip/PYu-RC_Group_51_RoHS_L_11.pdf, Magnetic Material=Unknown, Part Number #1=RC0402FR-071ML, Polarized=No, Supplier 1=Digi-Key, VerifiedBy="Philippe Arsenault - 2021/03/16"